# KiCad board 2choc2flat-extmcu-ansi.kicad_pcb
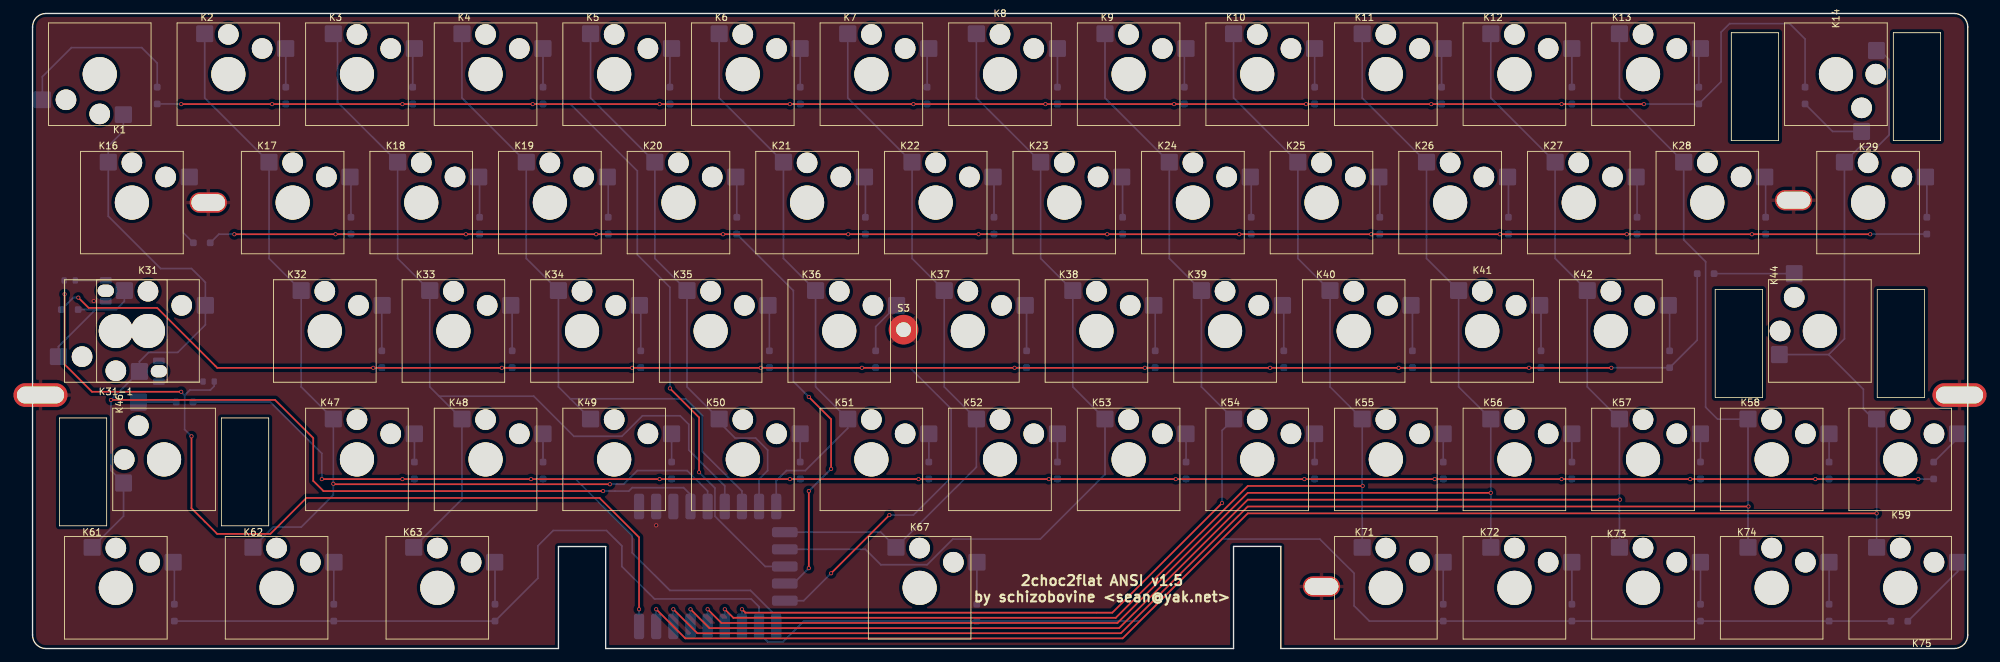
[diagram p0: board, top side]
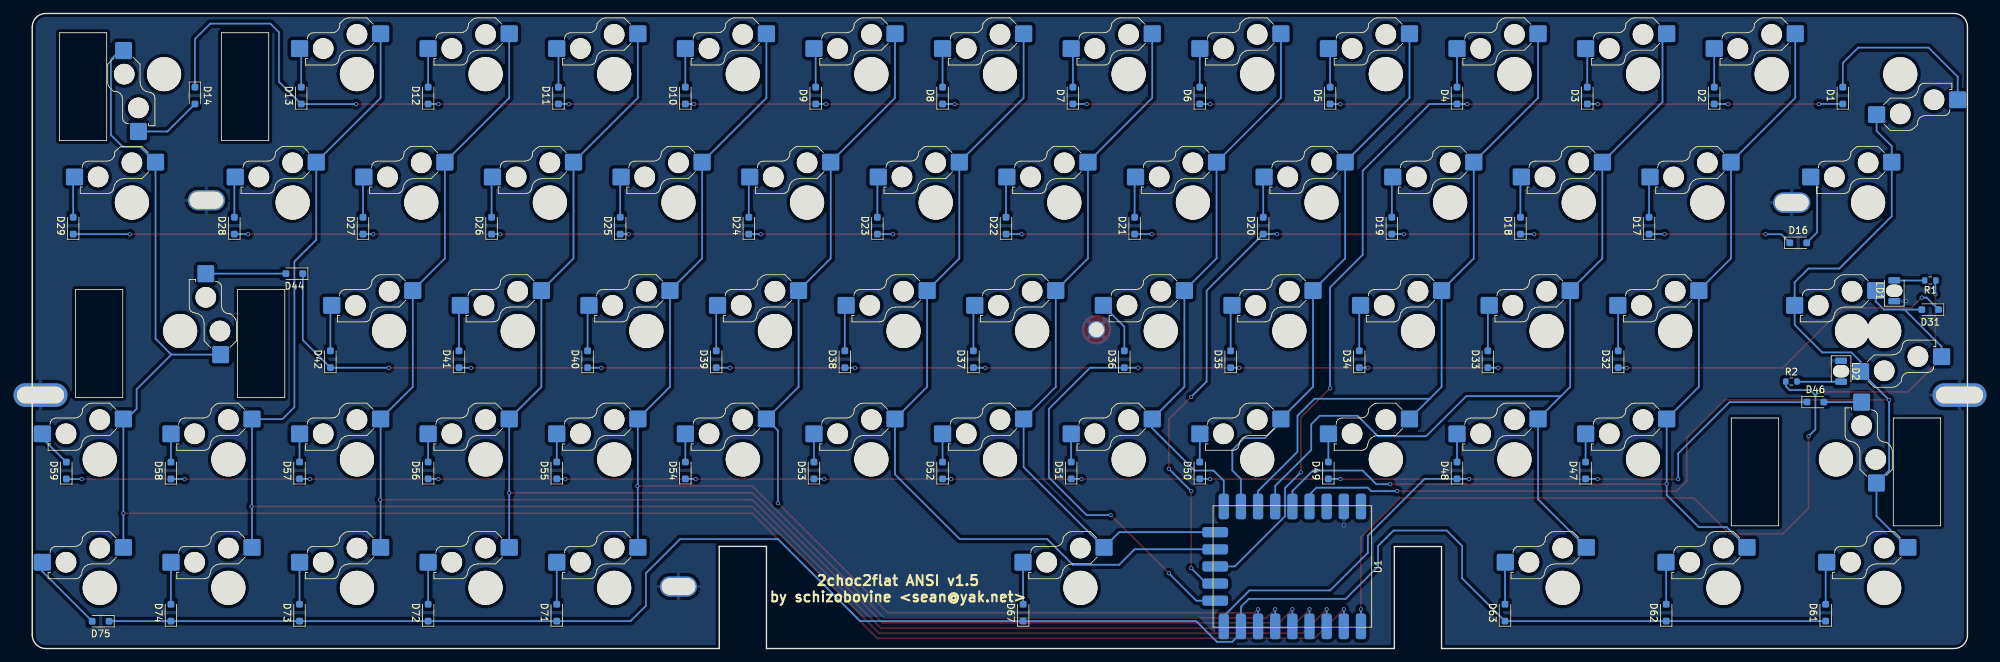
[diagram p1: board, bottom side, seen from below]

Outline 286.65 x 94.2 mm; copper layers: Top, Bottom. Coordinates in mm from the lower left corner of the outline.
Outline path: 0,92.2 0,2 arc(0.56,0.6) 1.95,0 77.89,0 77.89,15.13 84.89,15.13 84.89,0 177.89,0 177.89,15.15 184.89,15.15 184.89,0 284.65,0 arc(286.06,0.59) 286.65,2 286.65,92.2 arc(286.06,93.61) 284.65,94.2 1.95,94.2 arc(0.56,93.6) 0,92.2
Stack: Top 0.035mm / dielectric 1.51mm FR4 er 4.5 / Bottom 0.035mm

## Placement (name value [footprint] x y rotation side)
D1  D  [D_SOD-323_HandSoldering]  18.46 82.03 90 bottom
D2  D  [D_SOD-323_HandSoldering]  37.51 82.03 90 bottom
D3  D  [D_SOD-323_HandSoldering]  56.3 82.03 90 bottom
D4  D  [D_SOD-323_HandSoldering]  75.61 82.03 90 bottom
D5  D  [D_SOD-323_HandSoldering]  94.41 82.03 90 bottom
D6  D  [D_SOD-323_HandSoldering]  113.71 82.03 90 bottom
D7  D  [D_SOD-323_HandSoldering]  132.51 82.03 90 bottom
D8  D  [D_SOD-323_HandSoldering]  151.81 82.03 90 bottom
D9  D  [D_SOD-323_HandSoldering]  170.61 82.03 90 bottom
D10  D  [D_SOD-323_HandSoldering]  189.91 82.03 90 bottom
D11  D  [D_SOD-323_HandSoldering]  208.71 82.03 90 bottom
D12  D  [D_SOD-323_HandSoldering]  228.01 82.03 90 bottom
D13  D  [D_SOD-323_HandSoldering]  246.81 82.03 90 bottom
D14  D  [D_SOD-323_HandSoldering]  262.55 82.03 270 bottom
D16  D  [D_SOD-323_HandSoldering]  25.06 60.18 180 bottom
D17  D  [D_SOD-323_HandSoldering]  47.16 62.72 90 bottom
D18  D  [D_SOD-323_HandSoldering]  66.21 62.72 90 bottom
D19  D  [D_SOD-323_HandSoldering]  85.26 62.72 90 bottom
D20  D  [D_SOD-323_HandSoldering]  104.31 62.72 90 bottom
D21  D  [D_SOD-323_HandSoldering]  123.36 62.72 90 bottom
D22  D  [D_SOD-323_HandSoldering]  142.41 62.72 90 bottom
D23  D  [D_SOD-323_HandSoldering]  161.46 62.72 90 bottom
D24  D  [D_SOD-323_HandSoldering]  180.51 62.72 90 bottom
D25  D  [D_SOD-323_HandSoldering]  199.56 62.72 90 bottom
D26  D  [D_SOD-323_HandSoldering]  218.61 62.72 90 bottom
D27  D  [D_SOD-323_HandSoldering]  237.66 62.72 90 bottom
D28  D  [D_SOD-323_HandSoldering]  256.71 62.72 90 bottom
D29  D  [D_SOD-323_HandSoldering]  280.59 62.72 90 bottom
D31  D  [D_SOD-323_HandSoldering]  5.5 50.28 0 bottom
D32  D  [D_SOD-323_HandSoldering]  51.73 42.91 90 bottom
D33  D  [D_SOD-323_HandSoldering]  71.04 42.91 90 bottom
D34  D  [D_SOD-323_HandSoldering]  90.09 42.91 90 bottom
D35  D  [D_SOD-323_HandSoldering]  109.14 42.91 90 bottom
D36  D  [D_SOD-323_HandSoldering]  124.88 42.91 90 bottom
D37  D  [D_SOD-323_HandSoldering]  147.24 42.91 90 bottom
D38  D  [D_SOD-323_HandSoldering]  166.29 42.91 90 bottom
D39  D  [D_SOD-323_HandSoldering]  185.34 42.91 90 bottom
D40  D  [D_SOD-323_HandSoldering]  204.39 42.91 90 bottom
D41  D  [D_SOD-323_HandSoldering]  223.44 42.91 90 bottom
D42  D  [D_SOD-323_HandSoldering]  242.49 42.91 90 bottom
D44  D  [D_SOD-323_HandSoldering]  247.82 55.61 0 bottom
D46  D  [D_SOD-323_HandSoldering]  22.52 36.56 180 bottom
D47  D  [D_SOD-323_HandSoldering]  56.56 26.41 90 bottom
D48  D  [D_SOD-323_HandSoldering]  75.61 26.41 90 bottom
D49  D  [D_SOD-323_HandSoldering]  94.66 26.41 90 bottom
D50  D  [D_SOD-323_HandSoldering]  113.71 26.41 90 bottom
D51  D  [D_SOD-323_HandSoldering]  132.76 26.41 90 bottom
D52  D  [D_SOD-323_HandSoldering]  151.81 26.41 90 bottom
D53  D  [D_SOD-323_HandSoldering]  170.86 26.41 90 bottom
D54  D  [D_SOD-323_HandSoldering]  189.91 26.41 90 bottom
D55  D  [D_SOD-323_HandSoldering]  208.96 26.41 90 bottom
D56  D  [D_SOD-323_HandSoldering]  228.01 26.41 90 bottom
D57  D  [D_SOD-323_HandSoldering]  247.06 26.41 90 bottom
D58  D  [D_SOD-323_HandSoldering]  266.11 26.4 90 bottom
D59  D  [D_SOD-323_HandSoldering]  281.6 26.4 90 bottom
D61  D  [D_SOD-323_HandSoldering]  21 5.32 90 bottom
D62  D  [D_SOD-323_HandSoldering]  44.62 5.32 90 bottom
D63  D  [D_SOD-323_HandSoldering]  68.5 5.32 90 bottom
D67  D  [D_SOD-323_HandSoldering]  139.87 5.32 90 bottom
D71  D  [D_SOD-323_HandSoldering]  208.96 5.32 90 bottom
D72  D  [D_SOD-323_HandSoldering]  228.01 5.32 90 bottom
D73  D  [D_SOD-323_HandSoldering]  247.06 5.32 90 bottom
D74  D  [D_SOD-323_HandSoldering]  266.11 5.32 90 bottom
D75  D  [D_SOD-323_HandSoldering]  276.52 4.05 0 bottom
K1  KEYSW  [SW_Hotswap_Kailh_Choc_V2_1.00u]  9.95 85.2 180 top
K2  KEYSW  [SW_Hotswap_Kailh_Choc_V2_1.00u]  29 85.2 0 top
K3  KEYSW  [SW_Hotswap_Kailh_Choc_V2_1.00u]  48.05 85.2 0 top
K4  KEYSW  [SW_Hotswap_Kailh_Choc_V2_1.00u]  67.1 85.2 0 top
K5  KEYSW  [SW_Hotswap_Kailh_Choc_V2_1.00u]  86.15 85.2 0 top
K6  KEYSW  [SW_Hotswap_Kailh_Choc_V2_1.00u]  105.2 85.2 0 top
K7  KEYSW  [SW_Hotswap_Kailh_Choc_V2_1.00u]  124.25 85.2 0 top
K8  KEYSW  [SW_Hotswap_Kailh_Choc_V2_1.00u]  143.3 85.2 0 top
K9  KEYSW  [SW_Hotswap_Kailh_Choc_V2_1.00u]  162.35 85.2 0 top
K10  KEYSW  [SW_Hotswap_Kailh_Choc_V2_1.00u]  181.4 85.2 0 top
K11  KEYSW  [SW_Hotswap_Kailh_Choc_V2_1.00u]  200.45 85.2 0 top
K12  KEYSW  [SW_Hotswap_Kailh_Choc_V2_1.00u]  219.5 85.2 0 top
K13  KEYSW  [SW_Hotswap_Kailh_Choc_V2_1.00u]  238.55 85.2 0 top
K14  KEYSW  [SW_Hotswap_Kailh_Choc_V2_2.00u_270deg_Gateron_LP_Stabs]  267.12 85.2 270 top
K16  KEYSW  [SW_Hotswap_Kailh_Choc_V2_1.50u]  14.71 66.15 0 top
K17  KEYSW  [SW_Hotswap_Kailh_Choc_V2_1.00u]  38.52 66.15 0 top
K18  KEYSW  [SW_Hotswap_Kailh_Choc_V2_1.00u]  57.57 66.15 0 top
K19  KEYSW  [SW_Hotswap_Kailh_Choc_V2_1.00u]  76.62 66.15 0 top
K20  KEYSW  [SW_Hotswap_Kailh_Choc_V2_1.00u]  95.67 66.15 0 top
K21  KEYSW  [SW_Hotswap_Kailh_Choc_V2_1.00u]  114.72 66.15 0 top
K22  KEYSW  [SW_Hotswap_Kailh_Choc_V2_1.00u]  133.78 66.15 0 top
K23  KEYSW  [SW_Hotswap_Kailh_Choc_V2_1.00u]  152.83 66.15 0 top
K24  KEYSW  [SW_Hotswap_Kailh_Choc_V2_1.00u]  171.88 66.15 0 top
K25  KEYSW  [SW_Hotswap_Kailh_Choc_V2_1.00u]  190.93 66.15 0 top
K26  KEYSW  [SW_Hotswap_Kailh_Choc_V2_1.00u]  209.98 66.15 0 top
K27  KEYSW  [SW_Hotswap_Kailh_Choc_V2_1.00u]  229.03 66.15 0 top
K28  KEYSW  [SW_Hotswap_Kailh_Choc_V2_1.00u]  248.08 66.15 0 top
K29  KEYSW  [SW_Hotswap_Kailh_Choc_V2_1.50u]  271.89 66.15 0 top
K31  KEYSW  [SW_Hotswap_Kailh_Choc_V2_1.75u_capslock]  17.09 47.1 0 top
K31-1  KEYSW  [SW_Hotswap_Kailh_Choc_V2_1.25u_capslock]  12.33 47.1 180 top
K32  KEYSW  [SW_Hotswap_Kailh_Choc_V2_1.00u]  43.29 47.1 0 top
K33  KEYSW  [SW_Hotswap_Kailh_Choc_V2_1.00u]  62.34 47.1 0 top
K34  KEYSW  [SW_Hotswap_Kailh_Choc_V2_1.00u]  81.39 47.1 0 top
K35  KEYSW  [SW_Hotswap_Kailh_Choc_V2_1.00u]  100.44 47.1 0 top
K36  KEYSW  [SW_Hotswap_Kailh_Choc_V2_1.00u]  119.49 47.1 0 top
K37  KEYSW  [SW_Hotswap_Kailh_Choc_V2_1.00u]  138.54 47.1 0 top
K38  KEYSW  [SW_Hotswap_Kailh_Choc_V2_1.00u]  157.59 47.1 0 top
K39  KEYSW  [SW_Hotswap_Kailh_Choc_V2_1.00u]  176.64 47.1 0 top
K40  KEYSW  [SW_Hotswap_Kailh_Choc_V2_1.00u]  195.69 47.1 0 top
K41  KEYSW  [SW_Hotswap_Kailh_Choc_V2_1.00u]  214.74 47.1 0 top
K42  KEYSW  [SW_Hotswap_Kailh_Choc_V2_1.00u]  233.79 47.1 0 top
K44  KEYSW  [SW_Hotswap_Kailh_Choc_V2_2.25u_90deg_Gateron_LP_Stabs]  264.74 47.1 90 top
K46  KEYSW  [SW_Hotswap_Kailh_Choc_V2_2.00u_90deg_Gateron_LP_Stabs]  19.48 28.05 90 top
K47  KEYSW  [SW_Hotswap_Kailh_Choc_V2_1.00u]  48.05 28.05 0 top
K48  KEYSW  [SW_Hotswap_Kailh_Choc_V2_1.00u]  67.1 28.05 0 top
K49  KEYSW  [SW_Hotswap_Kailh_Choc_V2_1.00u]  86.15 28.05 0 top
K50  KEYSW  [SW_Hotswap_Kailh_Choc_V2_1.00u]  105.2 28.05 0 top
K51  KEYSW  [SW_Hotswap_Kailh_Choc_V2_1.00u]  124.25 28.05 0 top
K52  KEYSW  [SW_Hotswap_Kailh_Choc_V2_1.00u]  143.3 28.05 0 top
K53  KEYSW  [SW_Hotswap_Kailh_Choc_V2_1.00u]  162.35 28.05 0 top
K54  KEYSW  [SW_Hotswap_Kailh_Choc_V2_1.00u]  181.4 28.05 0 top
K55  KEYSW  [SW_Hotswap_Kailh_Choc_V2_1.00u]  200.45 28.05 0 top
K56  KEYSW  [SW_Hotswap_Kailh_Choc_V2_1.00u]  219.5 28.05 0 top
K57  KEYSW  [SW_Hotswap_Kailh_Choc_V2_1.00u]  238.55 28.05 0 top
K58  KEYSW  [SW_Hotswap_Kailh_Choc_V2_1.00u]  257.6 28.05 0 top
K59  KEYSW  [SW_Hotswap_Kailh_Choc_V2_1.00u]  276.65 28.05 0 top
K61  KEYSW  [SW_Hotswap_Kailh_Choc_V2_1.25u]  12.33 9 0 top
K62  KEYSW  [SW_Hotswap_Kailh_Choc_V2_1.25u]  36.14 9 0 top
K63  KEYSW  [SW_Hotswap_Kailh_Choc_V2_1.25u]  59.96 9 0 top
K67  KEYSW  [SW_Hotswap_Kailh_Choc_V2_6.25u_special2]  131.39 9 0 top
K71  KEYSW  [SW_Hotswap_Kailh_Choc_V2_1.00u]  200.45 9 0 top
K72  KEYSW  [SW_Hotswap_Kailh_Choc_V2_1.00u]  219.5 9 0 top
K73  KEYSW  [SW_Hotswap_Kailh_Choc_V2_1.00u]  238.55 9 0 top
K74  KEYSW  [SW_Hotswap_Kailh_Choc_V2_1.00u]  257.6 9 0 top
K75  KEYSW  [SW_Hotswap_Kailh_Choc_V2_1.00u]  276.65 9 0 top
LD1  LED  [LED_1206_3216Metric_ReverseMount_Hole1.8x2.4mm]  10.84 53.07 90 bottom
LD2  LED  [LED_1206_3216Metric_ReverseMount_Hole1.8x2.4mm]  18.71 41.13 270 bottom
R1  330R  [R_0603_1608Metric]  5.5 54.59 0 bottom
R2  330R  [R_0603_1608Metric]  26.08 39.61 180 bottom
S1  Screw  [3_5x2.5mm]  26.03 66.15 0 top
S2  Screw  [3_5x2.5mm]  260.85 66.5 0 top
S3  Screw  [MountingHole_2.2mm_M2_Pad_TopOnly]  129.01 47.3 0 top
S4  Screw  [8x3.5_7x2.5mm]  1.18 37.6 0 top
S5  Screw  [8x3.5_7x2.5mm]  285.43 37.6 0 top
S6  Screw  [3_5x2.5mm]  190.93 9.2 0 top
U1  WS-RP2040-Tiny  [WAVESHARE_RP2040_TINY]  99.99 12.18 270 bottom

## Library data of the parts
D1-D14 D16-D29 D31-D42 D44 D46-D59 D61-D63 D67 D71-D75 = -: Description: Diode
LD1 LD2 = -: Description: Light emitting diode
R1 R2 = -: Description: Resistor, small US symbol
S1-S6 = -: Description: Generic screw terminal, single row, 01x01, script generated (kicad-library-utils/schlib/autogen/connector/)

## Footprints (pads in the part's own frame, mm; a bottom-side part is the same pattern mirrored in y, then rotated)
3_5x2.5mm
  oval 5.5x3 hole 5x2.5: 1(0,0)
8x3.5_7x2.5mm
  oval 8x3.5 hole 7x2.5: 1(0,0)
D_SOD-323_HandSoldering
  rrect 1x1 smd: 1(-1.25,0) 2(1.25,0)
LED_1206_3216Metric_ReverseMount_Hole1.8x2.4mm
  oval 1.8x2.4 hole 1.8x2.4 unplated: (0,0)
  rrect 0.95x1.75 smd: 1(-1.55,0) 2(1.55,0)
MountingHole_2.2mm_M2_Pad_TopOnly
  round 2.6 hole 2.2: 1(0,0)
  round 4.4 smd: 1(0,0)
R_0603_1608Metric
  rrect 0.8x0.95 smd: 1(-0.825,0) 2(0.825,0)
SW_Hotswap_Kailh_Choc_V2_1.00u
  round 3.05 hole 3.05 unplated: (0,5.9) (5,3.8)
  round 5.05 hole 5.05 unplated: (0,0)
  rrect 2.55x2.5 smd far side: 1(-3.5,6) 2(8.5,3.8)
SW_Hotswap_Kailh_Choc_V2_1.25u
  round 3.05 hole 3.05 unplated: (0,5.9) (5,3.8)
  round 5.05 hole 5.05 unplated: (0,0)
  rrect 2.55x2.5 smd far side: 1(-3.5,6) 2(8.5,3.8)
SW_Hotswap_Kailh_Choc_V2_1.25u_capslock
  round 3.05 hole 3.05 unplated: (0,5.9) (5,3.8)
  round 5.05 hole 5.05 unplated: (0,0)
  rrect 2.55x2.5 smd far side: 1(-3.5,6) 2(8.5,3.8)
SW_Hotswap_Kailh_Choc_V2_1.50u
  round 3.05 hole 3.05 unplated: (0,5.9) (5,3.8)
  round 5.05 hole 5.05 unplated: (0,0)
  rrect 2.55x2.5 smd far side: 1(-3.5,6) 2(8.5,3.8)
SW_Hotswap_Kailh_Choc_V2_1.75u_capslock
  round 3.05 hole 3.05 unplated: (0,5.9) (5,3.8)
  round 5.05 hole 5.05 unplated: (0,0)
  rrect 2.55x2.5 smd far side: 1(-3.5,6) 2(8.5,3.8)
SW_Hotswap_Kailh_Choc_V2_2.00u_90deg_Gateron_LP_Stabs
  round 3.05 hole 3.05 unplated: (0,5.9) (5,3.8)
  round 5.05 hole 5.05 unplated: (0,0)
  rrect 2.55x2.5 smd far side: 1(-3.5,6) 2(8.5,3.8)
SW_Hotswap_Kailh_Choc_V2_2.00u_270deg_Gateron_LP_Stabs
  round 3.05 hole 3.05 unplated: (0,5.9) (5,3.8)
  round 5.05 hole 5.05 unplated: (0,0)
  rrect 2.55x2.5 smd far side: 1(-3.5,6) 2(8.5,3.8)
SW_Hotswap_Kailh_Choc_V2_2.25u_90deg_Gateron_LP_Stabs
  round 3.05 hole 3.05 unplated: (0,5.9) (5,3.8)
  round 5.05 hole 5.05 unplated: (0,0)
  rrect 2.55x2.5 smd far side: 1(-3.5,6) 2(8.5,3.8)
SW_Hotswap_Kailh_Choc_V2_6.25u_special2
  round 3.05 hole 3.05 unplated: (0,5.9) (5,3.8)
  round 5.05 hole 5.05 unplated: (0,0)
  rrect 2.55x2.5 smd far side: 1(-3.5,6) 2(8.5,3.8)
WAVESHARE_RP2040_TINY
  rrect 3.81x1.524 smd: 1(8.89,10.16) 2(8.89,7.62) 3(8.89,5.08) 4(8.89,2.54) 5(8.89,0) 6(8.89,-2.54) 7(8.89,-5.08) 8(8.89,-7.62) 9(8.89,-10.16) 15(-8.89,-10.16) 16(-8.89,-7.62) 17(-8.89,-5.08) 18(-8.89,-2.54) 19(-8.89,0) 20(-8.89,2.54) 21(-8.89,5.08) 22(-8.89,7.62) 23(-8.89,10.16)
  rrect 1.524x3.81 smd: 10(5.08,-11.43) 11(2.54,-11.43) 12(0,-11.43) 13(-2.54,-11.43) 14(-5.08,-11.43)

## Nets
+3V3: U1.21
+5V: U1.23
GND: LD1.1 LD2.1 S1.1 S2.1 S3.1 S4.1 S5.1 S6.1 U1.22
caps: R1.1 R2.1 U1.1
col0: K1.1 K16.1 K31.2 K31-1.1 K46.1 K61.1 U1.20
col1: K2.1 K17.1 K32.1 K47.1 K62.1 U1.19
col2: K3.1 K18.1 K33.1 K48.1 K63.1 U1.18
col3: K4.1 K19.1 K34.1 K49.1 U1.17
col4: K5.1 K20.1 K35.1 K50.1 U1.16
col5: K6.1 K21.1 K36.1 K51.1 U1.15
col6: K7.1 K22.1 K37.1 K52.1 K67.1 U1.14
col7: K8.1 K23.1 K38.1 K53.1 U1.13
col8: K9.1 K24.1 K39.1 K54.1 U1.7
col9: K10.1 K25.1 K40.1 K55.1 K71.1 U1.6
col10: K11.1 K26.1 K41.1 K56.1 K72.1 U1.5
col11: K12.1 K27.1 K42.1 K57.1 K73.1 U1.4
col12: K13.1 K28.1 K58.1 K74.1 U1.3
col13: K14.1 K29.1 K44.1 K59.1 K75.1 U1.2
row0: D1.1 D2.1 D3.1 D4.1 D5.1 D6.1 D7.1 D8.1 D9.1 D10.1 D11.1 D12.1 D13.1 D14.1 U1.12
row1: D16.1 D17.1 D18.1 D19.1 D20.1 D21.1 D22.1 D23.1 D24.1 D25.1 D26.1 D27.1 D28.1 D29.1 U1.11
row2: D31.1 D32.1 D33.1 D34.1 D35.1 D36.1 D37.1 D38.1 D39.1 D40.1 D41.1 D42.1 D44.1 U1.10
row3: D46.1 D47.1 D48.1 D49.1 D50.1 D51.1 D52.1 D53.1 D54.1 D55.1 D56.1 D57.1 D58.1 D59.1 U1.9
row4: D61.1 D62.1 D63.1 D67.1 D71.1 D72.1 D73.1 D74.1 D75.1 U1.8
Net-(D1-A): D1.2 K1.2
Net-(D2-A): D2.2 K2.2
Net-(D3-A): D3.2 K3.2
Net-(D4-A): D4.2 K4.2
Net-(D5-A): D5.2 K5.2
Net-(D6-A): D6.2 K6.2
Net-(D7-A): D7.2 K7.2
Net-(D8-A): D8.2 K8.2
Net-(D9-A): D9.2 K9.2
Net-(D10-A): D10.2 K10.2
Net-(D11-A): D11.2 K11.2
Net-(D12-A): D12.2 K12.2
Net-(D13-A): D13.2 K13.2
Net-(D14-A): D14.2 K14.2
Net-(D16-A): D16.2 K16.2
Net-(D17-A): D17.2 K17.2
Net-(D18-A): D18.2 K18.2
Net-(D19-A): D19.2 K19.2
Net-(D20-A): D20.2 K20.2
Net-(D21-A): D21.2 K21.2
Net-(D22-A): D22.2 K22.2
Net-(D23-A): D23.2 K23.2
Net-(D24-A): D24.2 K24.2
Net-(D25-A): D25.2 K25.2
Net-(D26-A): D26.2 K26.2
Net-(D27-A): D27.2 K27.2
Net-(D28-A): D28.2 K28.2
Net-(D29-A): D29.2 K29.2
Net-(D31-A): D31.2 K31.1 K31-1.2
Net-(D32-A): D32.2 K32.2
Net-(D33-A): D33.2 K33.2
Net-(D34-A): D34.2 K34.2
Net-(D35-A): D35.2 K35.2
Net-(D36-A): D36.2 K36.2
Net-(D37-A): D37.2 K37.2
Net-(D38-A): D38.2 K38.2
Net-(D39-A): D39.2 K39.2
Net-(D40-A): D40.2 K40.2
Net-(D41-A): D41.2 K41.2
Net-(D42-A): D42.2 K42.2
Net-(D44-A): D44.2 K44.2
Net-(D46-A): D46.2 K46.2
Net-(D47-A): D47.2 K47.2
Net-(D48-A): D48.2 K48.2
Net-(D49-A): D49.2 K49.2
Net-(D50-A): D50.2 K50.2
Net-(D51-A): D51.2 K51.2
Net-(D52-A): D52.2 K52.2
Net-(D53-A): D53.2 K53.2
Net-(D54-A): D54.2 K54.2
Net-(D55-A): D55.2 K55.2
Net-(D56-A): D56.2 K56.2
Net-(D57-A): D57.2 K57.2
Net-(D58-A): D58.2 K58.2
Net-(D59-A): D59.2 K59.2
Net-(D61-A): D61.2 K61.2
Net-(D62-A): D62.2 K62.2
Net-(D63-A): D63.2 K63.2
Net-(D67-A): D67.2 K67.2
Net-(D71-A): D71.2 K71.2
Net-(D72-A): D72.2 K72.2
Net-(D73-A): D73.2 K73.2
Net-(D74-A): D74.2 K74.2
Net-(D75-A): D75.2 K75.2
Net-(LD1-A): LD1.2 R1.2
Net-(LD2-A): LD2.2 R2.2

## Via types
v1: diameter 0.6, hole 0.4, Top to Bottom, 83 vias

## Routing (per net, layer and track width the routed paths; a pad name or vN(x,y) marks a point on that pad's centre or on a via; arc(x,y) is an arc through that point)
GND:
  vias: v1(9.06,51.55) v1(92.37,18.27)
caps: length 140.7
  Top w0.25: v1(4.74,52.56) 4.74,42.15 8.81,38.08 v1(22.02,38.08) ; v1(89.83,5.83) 89.83,16.49 83.99,22.34 40.56,22.34 35.22,17 27.35,17 23.54,20.81 v1(23.54,31.48)
  Bottom w0.25: 22.52,37.58 v1(22.02,38.08) ; 22.52,37.58 22.52,32.5 v1(23.54,31.48) ; 22.52,37.58 23.29,38.34 26.33,38.34 26.9,38.91 R2.1 ; U1.1 v1(89.83,5.83) ; R1.1 4.74,54.53 v1(4.74,52.56)
col0: length 182.4
  Top w0.25: v1(84.5,23.35) 43.1,23.35 41.57,24.88 41.57,31.23 35.93,36.87 v1(11.6,36.87)
  Bottom w0.25: v1(84.5,23.35) 88.31,23.35 88.82,23.86 96.44,23.86 97.45,22.84 U1.20 ; K61.1 13.48,19.64 K46.1 11.6,26.42 v1(11.6,36.87) K31-1.1 15.83,42.57 17.19,43.93 21.51,43.93 25.59,48.01 K31.2 25.59,54.32 23.55,56.36 18.97,56.36 11.21,64.13 K16.1 11.21,74.52 13.45,76.76 K1.1
col1: length 151.3
  Top w0.25: v1(85.52,24.37) 44.62,24.37 v1(44.55,24.44)
  Bottom w0.25: K62.1 35.66,18.02 39.79,18.02 44.55,22.77 v1(44.55,24.44) K47.1 39.79,38.81 K32.1 35.02,57.86 K17.1 25.5,81.68 25.5,91.2 ; v1(85.52,24.37) 87.55,24.37 89.58,26.4 96.94,26.4 99.99,23.35 U1.19
col2: length 142.7
  Bottom w0.25: K63.1 63.6,22.14 K48.1 60.22,37.43 ; 60.22,37.43 58.84,38.81 K33.1 54.07,57.86 K18.1 45.17,81.05 45.17,90.58 44.55,91.2 ; 60.22,37.43 74.23,37.43 80.18,31.48 87.29,31.48 90.34,34.53 95.93,34.53 97.2,33.26 97.2,29.45 102.53,24.11 U1.18
col3: length 101.5
  Bottom w0.25: 79.65,37.05 77.89,38.81 K34.1 73.12,57.86 K19.1 63.6,81.68 63.6,91.2 ; 79.65,37.05 K49.1 ; 79.65,37.05 96.71,37.05 99.23,34.53 99.23,29.19 105.07,23.35 U1.17
col4: length 83.3
  Bottom w0.25: 82.65,91.2 82.65,81.68 K20.1 92.17,57.86 K35.1 96.94,38.81 K50.1 101.7,33.58 104.06,31.23 107.11,31.23 108.88,29.45 108.88,26.4 107.61,25.13 U1.16
col5: length 84.1
  Bottom w0.25: U1.15 110.15,24.88 111.68,26.4 114.47,26.4 120.75,32.68 K51.1 115.99,38.81 K36.1 111.22,57.86 K21.1 101.7,81.68 101.7,91.2
col6: length 106.4
  Bottom w0.25: U1.14 125.64,17.26 K67.1 139.8,26.91 K52.1 135.04,38.81 K37.1 130.28,57.86 K22.1 120.75,81.68 120.75,91.2
col7: length 127.2
  Bottom w0.25: U1.13 123.36,14.72 125.65,12.43 132.51,12.43 136.31,16.24 149.27,16.24 158.85,25.82 K53.1 154.09,38.81 K38.1 149.33,57.86 K23.1 139.8,81.68 139.8,91.2
col8: length 158.8
  Top w0.25: v1(176.19,21.57) 159.94,5.32 105.58,5.32 v1(105.07,5.83)
  Bottom w0.25: U1.7 v1(105.07,5.83) ; 158.85,91.2 158.85,81.68 K24.1 168.38,57.86 K39.1 173.14,38.81 K54.1 176.19,32.34 v1(176.19,21.57)
col9: length 189.8
  Top w0.25: v1(197.02,24.11) 180,24.11 160.45,4.56 103.8,4.56 v1(102.53,5.83)
  Bottom w0.25: 177.9,91.2 177.9,81.68 K25.1 187.43,57.86 K40.1 192.19,38.81 K55.1 196.95,24.18 v1(197.02,24.11) 196.95,24.04 K71.1 ; U1.6 v1(102.53,5.83)
col10: length 211.5
  Top w0.25: v1(99.99,5.83) 102.02,3.79 160.7,3.79 180,23.1 v1(216,23.1)
  Bottom w0.25: U1.5 v1(99.99,5.83) ; K72.1 v1(216,23.1) K56.1 211.24,38.81 K41.1 206.48,57.86 K26.1 196.95,81.68 196.95,91.2
col11: length 233.4
  Top w0.25: v1(97.45,5.83) 100.25,3.03 160.95,3.03 180,22.08 v1(235.12,22.08)
  Bottom w0.25: K73.1 235.05,22.01 v1(235.12,22.08) 235.05,22.15 K57.1 230.29,38.81 K42.1 225.53,57.86 K27.1 216,81.68 216,91.2 ; U1.4 v1(97.45,5.83)
col12: length 257.9
  Top w0.25: v1(254.17,21.07) 180,21.07 161.21,2.27 98.47,2.27 v1(94.91,5.83)
  Bottom w0.25: 235.05,91.2 235.05,81.68 K28.1 244.58,60.63 247.82,57.39 247.82,35.8 249.6,34.02 254.07,34.02 K58.1 254.1,21.14 v1(254.17,21.07) 254.1,20.99 254.1,15 K74.1 ; U1.3 v1(94.91,5.83)
col13: length 283.3
  Top w0.25: v1(273.15,20.05) 180,20.05 161.46,1.51 96.69,1.51 v1(92.37,5.83)
  Bottom w0.25: K14.1 273.66,88.7 275,87.36 275,76.18 273.22,74.41 270.64,74.41 K29.1 268.39,45.95 266.04,43.6 ; U1.2 v1(92.37,5.83) ; K44.1 266.04,43.6 ; 266.04,43.6 271.19,38.45 271.19,35.54 272.68,34.05 K59.1 v1(273.15,20.05) K75.1
row0: length 366.8
  Top w0.25: v1(22.02,80.76) v1(35.48,80.76) v1(54.78,80.76) v1(74.08,80.76) v1(92.88,80.76) v1(112.19,80.76) v1(130.47,80.76) v1(150.03,80.76) v1(169.08,80.76) v1(188.64,80.76) v1(207.18,80.76) v1(226.49,80.76) v1(238.68,80.76) ; v1(94.41,38.59) 98.72,34.27 v1(98.72,26.15)
  Bottom w0.25: v1(35.48,80.76) 35.5,80.78 D2.1 ; v1(238.68,80.76) 246.79,80.76 D13.1 250.11,84.08 250.11,91.42 251.38,92.69 260.27,92.69 262.55,90.41 D14.1 ; v1(207.18,80.76) 207.2,80.78 D11.1 ; D8.1 150.05,80.78 v1(150.03,80.76) ; v1(226.49,80.76) 226.51,80.78 D12.1 ; D9.1 169.1,80.78 v1(169.08,80.76) ; D1.1 22,80.78 v1(22.02,80.76) ; v1(112.19,80.76) 112.2,80.78 D6.1 ; U1.12 108.52,12.18 101.08,19.62 101.08,23.79 v1(98.72,26.15) ; v1(130.47,80.76) 130.49,80.78 D7.1 ; D5.1 92.9,80.78 v1(92.88,80.76) ; v1(74.08,80.76) 74.11,80.78 D4.1 79.65,80.78 89.58,70.85 89.58,58.4 94.41,53.58 v1(94.41,38.59) ; v1(188.64,80.76) 188.66,80.78 D10.1 ; D3.1 54.8,80.78 v1(54.78,80.76)
row1: length 339.2
  Top w0.25: v1(118.28,26.65) 118.28,34.02 v1(114.98,37.32) ; v1(114.98,11.92) v1(114.98,23.35) ; v1(29.89,61.45) v1(44.88,61.45) v1(64.18,61.45) v1(83.48,61.45) v1(102.28,61.45) v1(120.82,61.45) v1(140.12,61.45) v1(159.18,61.45) v1(178.73,61.45) v1(198.29,61.45) v1(217.34,61.45) v1(236.14,61.45) v1(254.68,61.45) v1(272.2,61.45)
  Bottom w0.25: v1(114.98,23.35) v1(118.28,26.65) ; v1(272.2,61.45) 272.23,61.47 D29.1 ; D16.1 27.58,61.45 v1(29.89,61.45) ; D26.1 217.36,61.47 v1(217.34,61.45) ; v1(140.12,61.45) 140.15,61.47 D22.1 ; v1(83.48,61.45) 83.5,61.47 D19.1 ; D17.1 44.89,61.47 v1(44.88,61.45) ; D18.1 64.2,61.47 v1(64.18,61.45) ; D23.1 159.2,61.47 v1(159.18,61.45) ; v1(236.14,61.45) 236.16,61.47 D27.1 ; D25.1 198.31,61.47 v1(198.29,61.45) ; D28.1 254.7,61.47 v1(254.68,61.45) ; U1.11 112.69,9.64 v1(114.98,11.92) ; v1(114.98,37.32) 112.69,39.61 112.69,53.09 D20.1 102.3,61.47 v1(102.28,61.45) ; D21.1 120.84,61.47 v1(120.82,61.45) ; v1(178.73,61.45) 178.75,61.47 D24.1
row2: length 331.6
  Top w0.25: v1(118.28,11.16) v1(126.92,19.8) ; v1(233.85,41.64) v1(221.66,41.64) v1(202.36,41.64) v1(183.31,41.64) v1(164.76,41.64) v1(145.46,41.64) v1(122.85,41.64) v1(107.87,41.64) v1(88.82,41.64) v1(69.51,41.64) v1(50.46,41.64) 27.35,41.64 18.46,50.53 8.3,50.53 v1(6.77,52.05)
  Bottom w0.25: v1(164.76,41.64) 164.78,41.66 D38.1 ; v1(202.36,41.64) 202.38,41.66 D40.1 ; v1(118.28,11.16) 114.22,7.1 U1.10 ; D31.1 6.03,52.05 v1(6.77,52.05) ; v1(183.31,41.64) 183.33,41.66 D39.1 ; v1(126.92,19.8) 130.47,19.8 136.06,25.38 136.06,35.54 129.95,41.66 D36.1 122.87,41.66 v1(122.85,41.64) ; D44.1 246.57,45.74 D42.1 233.87,41.66 v1(233.85,41.64) ; v1(50.46,41.64) 50.48,41.66 D32.1 ; D35.1 107.89,41.66 v1(107.87,41.64) ; D33.1 69.53,41.66 v1(69.51,41.64) ; D34.1 88.84,41.66 v1(88.82,41.64) ; v1(145.46,41.64) 145.48,41.66 D37.1 ; D41.1 221.68,41.66 v1(221.66,41.64)
row3: length 330
  Top w0.25: v1(279.32,25.13) v1(264.08,25.13) v1(245.54,25.13) v1(226.49,25.13) v1(207.69,25.13) v1(188.39,25.13) v1(169.34,25.13) v1(150.54,25.13) v1(131.24,25.13) v1(112.19,25.13) v1(92.88,25.13) v1(73.83,25.13) v1(54.78,25.13) v1(42.84,25.13)
  Bottom w0.25: v1(245.54,25.13) 245.57,25.16 D57.1 ; D56.1 226.52,25.16 v1(226.49,25.13) ; D50.1 112.22,25.16 v1(112.19,25.13) ; v1(188.39,25.13) 188.42,25.16 D54.1 ; D47.1 54.81,25.16 v1(54.78,25.13) ; D55.1 207.72,25.16 v1(207.69,25.13) ; D46.1 35.22,36.56 42.84,28.94 v1(42.84,25.13) ; U1.9 110.15,4.81 106.34,8.62 94.41,8.62 88.82,14.21 88.82,16.75 80.4,25.16 D48.1 73.86,25.16 v1(73.83,25.13) ; D53.1 169.37,25.16 v1(169.34,25.13) ; v1(279.32,25.13) 281.58,25.13 D59.1 ; D49.1 92.91,25.16 v1(92.88,25.13) ; D51.1 131.27,25.16 v1(131.24,25.13) ; v1(150.54,25.13) 150.57,25.16 D52.1 ; D58.1 264.1,25.15 v1(264.08,25.13)
row4: length 287.8
  Bottom w0.25: D61.1 D62.1 D63.1 74.85,10.42 74.85,15.22 77.13,17.51 85.01,17.51 87.29,15.22 87.29,12.18 92.12,7.35 106.45,7.35 107.61,6.19 U1.8 107.61,2.27 108.88,1 111.17,1 114.24,4.07 D67.1 164.02,4.07 176.19,16.24 190.67,16.24 195.75,11.16 195.75,6.33 198.02,4.07 D71.1 D72.1 D73.1 D74.1 275.25,4.07 D75.1
Net-(D1-A): length 26.7
  Bottom w0.25: D1.2 18.46,86.85 16.17,89.14 5.76,89.14 1.45,84.83 K1.2
Net-(D2-A): length 5.7
  Bottom w0.25: D2.2 37.51,88.99 37.5,89
Net-(D3-A): length 5.8
  Bottom w0.25: 56.55,89 56.3,88.76 D3.2
Net-(D4-A): length 5.7
  Bottom w0.25: D4.2 75.61,88.99 75.6,89
Net-(D5-A): length 5.8
  Bottom w0.25: 94.65,89 94.41,88.76 D5.2
Net-(D6-A): length 5.7
  Bottom w0.25: D6.2 113.71,88.99 113.7,89
Net-(D7-A): length 5.8
  Bottom w0.25: 132.75,89 132.51,88.76 D7.2
Net-(D8-A): length 5.7
  Bottom w0.25: 151.8,89 151.81,88.99 D8.2
Net-(D9-A): length 5.8
  Bottom w0.25: D9.2 170.61,88.76 170.85,89
Net-(D10-A): length 5.7
  Bottom w0.25: 189.9,89 189.91,88.99 D10.2
Net-(D11-A): length 5.8
  Bottom w0.25: 208.95,89 208.71,88.76 D11.2
Net-(D12-A): length 5.7
  Bottom w0.25: 228,89 228.01,88.99 D12.2
Net-(D13-A): length 5.8
  Bottom w0.25: 247.05,89 246.81,88.76 D13.2
Net-(D14-A): length 10.1
  Bottom w0.25: D14.2 266.63,76.7 K14.2
Net-(D16-A): length 10.8
  Bottom w0.25: D16.2 22.27,61.73 22.27,69.01 K16.2
Net-(D17-A): length 6
  Bottom w0.25: K17.2 47.16,69.81 D17.2
Net-(D18-A): length 6
  Bottom w0.25: D18.2 66.21,69.81 K18.2
Net-(D19-A): length 6
  Bottom w0.25: D19.2 85.26,69.81 K19.2
Net-(D20-A): length 6
  Bottom w0.25: K20.2 104.31,69.81 D20.2
Net-(D21-A): length 6
  Bottom w0.25: K21.2 123.36,69.81 D21.2
Net-(D22-A): length 6
  Bottom w0.25: K22.2 142.41,69.81 D22.2
Net-(D23-A): length 6
  Bottom w0.25: K23.2 161.46,69.81 D23.2
Net-(D24-A): length 6
  Bottom w0.25: D24.2 180.51,69.81 K24.2
Net-(D25-A): length 6
  Bottom w0.25: D25.2 199.56,69.81 K25.2
Net-(D26-A): length 6
  Bottom w0.25: D26.2 218.61,69.81 K26.2
Net-(D27-A): length 6
  Bottom w0.25: K27.2 237.66,69.81 D27.2
Net-(D28-A): length 6
  Bottom w0.25: K28.2 256.71,69.81 D28.2
Net-(D29-A): length 6.1
  Bottom w0.25: K29.2 280.59,69.75 D29.2
Net-(D31-A): length 18.4
  Bottom w0.25: 9.57,50.28 9.32,50.28 3.83,44.79 K31-1.2 ; 9.57,50.28 D31.2 ; 9.57,50.28 12.36,50.28 13.59,51.51 K31.1
Net-(D32-A): length 6.9
  Bottom w0.25: 51.71,50.83 K32.2 51.73,50.85 D32.2
Net-(D33-A): length 6.8
  Bottom w0.25: D33.2 71.04,50.7 K33.2
Net-(D34-A): length 6.8
  Bottom w0.25: D34.2 90.09,50.7 K34.2
Net-(D35-A): length 6.8
  Bottom w0.25: K35.2 109.14,50.7 D35.2
Net-(D36-A): length 8
  Bottom w0.25: D36.2 124.88,47.74 127.99,50.84 K36.2
Net-(D37-A): length 6.8
  Bottom w0.25: D37.2 147.24,50.7 K37.2
Net-(D38-A): length 6.8
  Bottom w0.25: K38.2 166.29,50.7 D38.2
Net-(D39-A): length 6.8
  Bottom w0.25: D39.2 185.34,50.7 K39.2
Net-(D40-A): length 6.8
  Bottom w0.25: D40.2 204.39,50.7 K40.2
Net-(D41-A): length 6.8
  Bottom w0.25: K41.2 223.44,50.7 D41.2
Net-(D42-A): length 6.8
  Bottom w0.25: K42.2 242.49,50.7 D42.2
Net-(D44-A): length 11.9
  Bottom w0.25: D44.2 260.93,55.61 K44.2
Net-(D46-A): length 5.6
  Bottom w0.25: D46.2 15.68,36.56 K46.2
Net-(D47-A): length 4.2
  Bottom w0.25: K47.2 56.56,31.84 D47.2
Net-(D48-A): length 4.2
  Bottom w0.25: K48.2 75.61,31.84 D48.2
Net-(D49-A): length 4.2
  Bottom w0.25: D49.2 94.66,31.84 K49.2
Net-(D50-A): length 4.2
  Bottom w0.25: K50.2 113.71,31.84 D50.2
Net-(D51-A): length 4.2
  Bottom w0.25: D51.2 132.76,31.84 K51.2
Net-(D52-A): length 4.2
  Bottom w0.25: K52.2 151.81,31.84 D52.2
Net-(D53-A): length 4.2
  Bottom w0.25: D53.2 170.86,31.84 K53.2
Net-(D54-A): length 4.2
  Bottom w0.25: D54.2 189.91,31.84 K54.2
Net-(D55-A): length 4.2
  Bottom w0.25: D55.2 208.96,31.84 K55.2
Net-(D56-A): length 4.2
  Bottom w0.25: D56.2 228.01,31.84 K56.2
Net-(D57-A): length 4.2
  Bottom w0.25: K57.2 247.06,31.84 D57.2
Net-(D58-A): length 4.2
  Bottom w0.25: D58.2 266.11,31.84 K58.2
Net-(D59-A): length 5.7
  Bottom w0.25: K59.2 285.15,31.2 D59.2
Net-(D61-A): length 6.3
  Bottom w0.25: D61.2 21,12.63 K61.2
Net-(D62-A): length 6.2
  Bottom w0.25: D62.2 44.62,12.78 K62.2
Net-(D63-A): length 6.2
  Bottom w0.25: D63.2 68.5,12.76 K63.2
Net-(D67-A): length 6.2
  Bottom w0.25: D67.2 139.87,12.78 K67.2
Net-(D71-A): length 6.2
  Bottom w0.25: D71.2 208.96,12.79 K71.2
Net-(D72-A): length 6.2
  Bottom w0.25: D72.2 228.01,12.79 K72.2
Net-(D73-A): length 6.2
  Bottom w0.25: K73.2 247.06,12.79 D73.2
Net-(D74-A): length 6.2
  Bottom w0.25: D74.2 266.11,12.79 K74.2
Net-(D75-A): length 11.8
  Bottom w0.25: K75.2 285.15,11.42 D75.2
Net-(LD1-A): length 4.5
  Bottom w0.25: R1.2 10.81,54.59 LD1.2
Net-(LD2-A): length 6.6
  Bottom w0.25: LD2.2 25.23,39.58 R2.2

## Copper pours and planes (outline as drawn; the poured copper is in the pictures)
GND on Top: 0.42,94.73 286.18,94.73 286.18,-0.53 0.42,-0.53
GND on Bottom: 0.42,94.73 286.18,94.73 286.18,-0.53 0.42,-0.53

## Text on the board
B.Silkscreen: 2choc2flat ANSI v1.5 / by schizobovine <sean@yak.net>
F.Silkscreen: 2choc2flat ANSI v1.5 / by schizobovine <sean@yak.net>
